# Altium PCB FMC_LOOPBACK.PcbDoc
Units mm, origin at the board's own origin, x right, y up, seen from the top; angles counter-clockwise.
Board outline 32.8 x 69 mm, 2 copper layers (Component Side, Bottom Layer), stack 1.571 mm thick; 29 components, 143 nets, 452 pads, 31 vias.
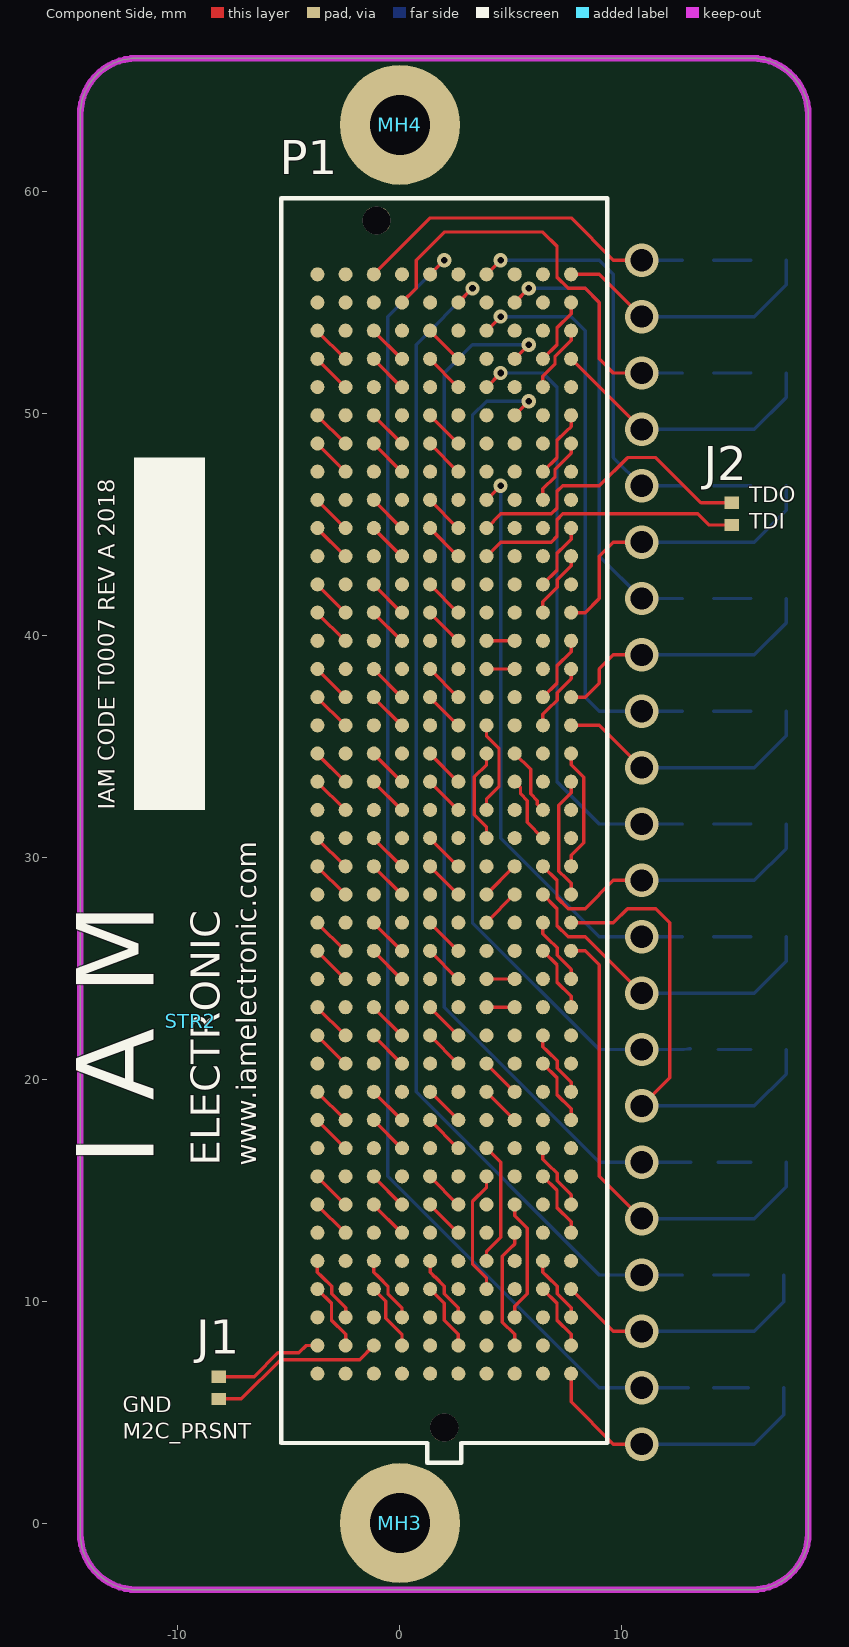
[diagram p0: Component Side view]
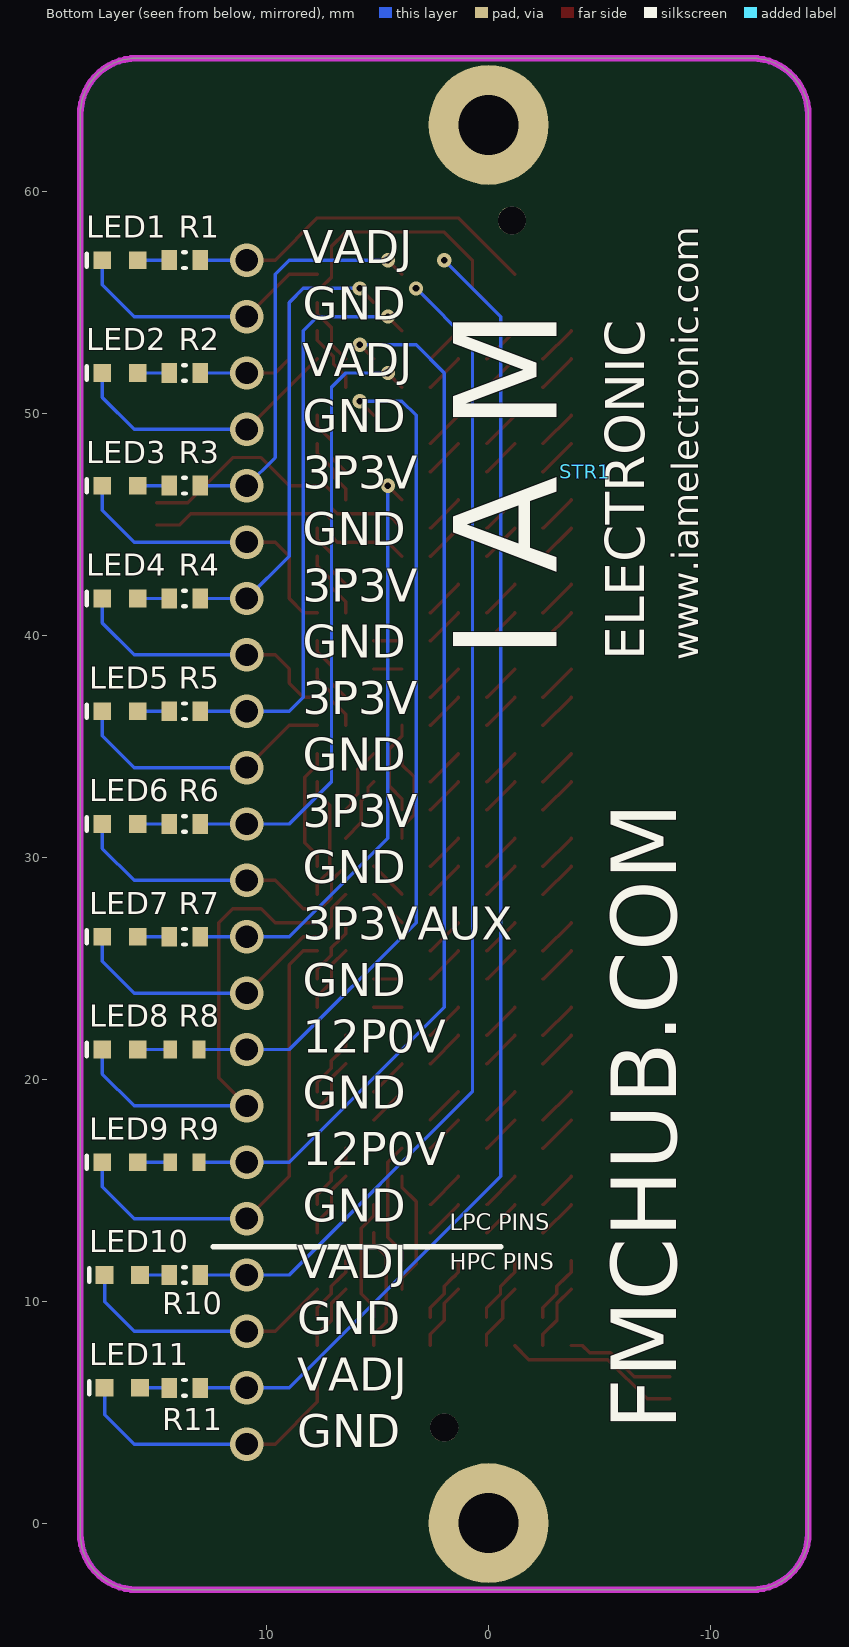
[diagram p1: Bottom Layer view, seen from below]
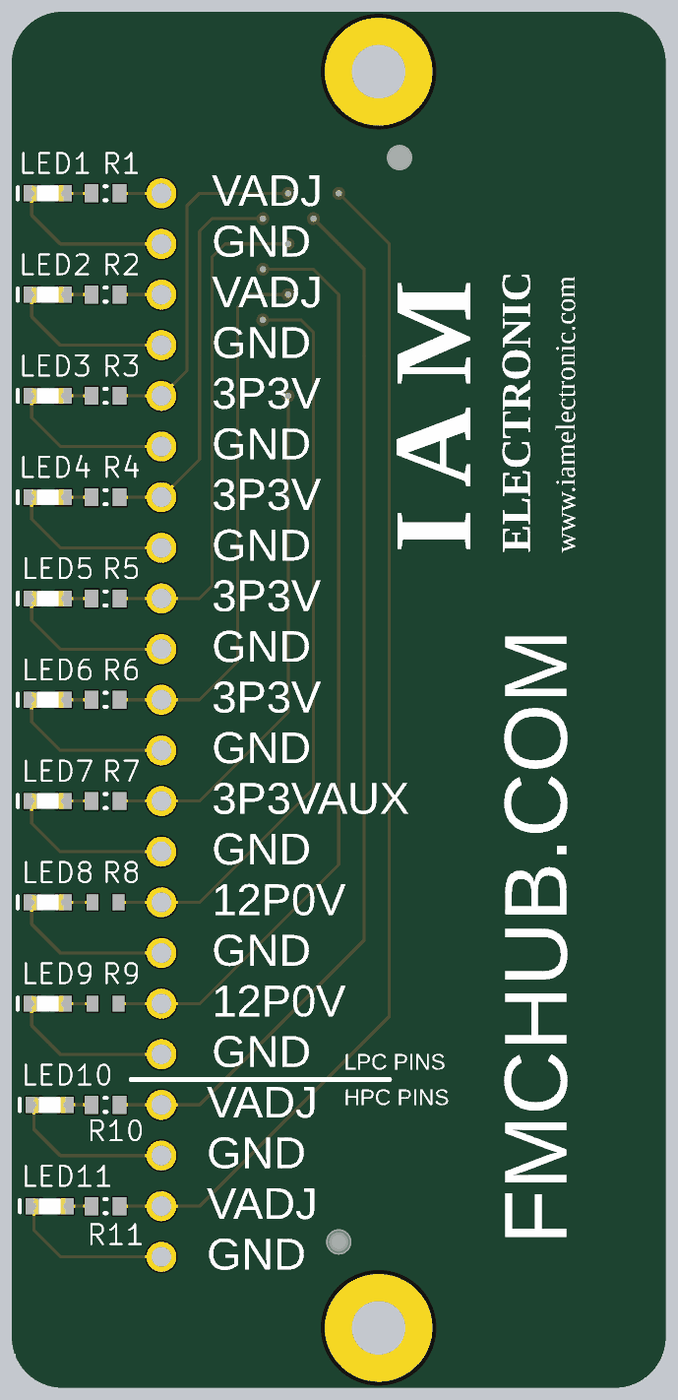
[diagram p2: 3D render of the assembled board from below, using the file's embedded part models]

## Layer stack, top to bottom
Top Solder: solder mask 0.0102, Solder Resist, Dk 3.5
Component Side: signal copper 0.0356
Dielectric 1: core 1.5, FR-4, Dk 4.2
Bottom Layer: signal copper 0.0356
Solder Side: solder mask 0.0102, Solder Resist, Dk 3.5

## Board outline
-14.4,-0.46 ccw(c-11.86,-0.46) -11.86,-3 15.86,-3 ccw(c15.86,-0.46) 18.4,-0.46 18.4,63.46 ccw(c15.86,63.46) 15.86,66 -11.86,66 ccw(c-11.86,63.46) -14.4,63.46

## Design rules (kind name [scope] priority, off if disabled: settings)
AcuteAngle [All] p1: minimum=6.00000000000000E+0001 checktracksonly=FALSE
Clearance Clearance_Keepout [All vs OnLayer('Keep-Out Layer')] p1: gap=0.15 ignorepadtopadclearanceinfootprint=FALSE
Clearance [All] p2: gap=0.152 ignorepadtopadclearanceinfootprint=FALSE
DiffPairsRouting [All] p1: maxlimit=10 minlimit=0.2 mostfreqgap=0.2 toplayer_minwidth=0.2 toplayer_maxwidth=10 toplayer_prefwidth=0.381 bottomlayer_minwidth=0.2 bottomlayer_maxwidth=10 bottomlayer_prefwidth=0.381 maxuncoupledlength=12.7
FabricationTestPointUsage FabricationTestPointUsage_1 [All] p1: valid=0 allowmultiple=FALSE
FabricationTestpoint FabricationTestpoint_1 [All] p1: side=3 testpointundercomponent=TRUE minsize=1.016 maxsize=2.54 preferedsize=1.524 minholesize=0 maxholesize=1.016 preferedholesize=0.813 testpointgrid=0.025 allowsidetop=TRUE allowsidebottom=TRUE usegrid=TRUE gridtolerance=0
HoleSize [All] p1: absolutevalues=TRUE maxlimit=6 minlimit=0.3 maxpercent=80.000 minpercent=20.000
HoleSize FabricationTestpoint [All] p2 off: absolutevalues=TRUE maxlimit=2.54 minlimit=0.025 maxpercent=80.000 minpercent=20.000
HoleSize FabricationTestPointUsage [All] p3 off: absolutevalues=TRUE maxlimit=2.54 minlimit=0.025 maxpercent=80.000 minpercent=20.000
HoleToHoleClearance [All] p1: gap=0.3 allowstackedmicrovias=TRUE
MinimumAnnularRing [All] p1: minimumring=0.15
MinimumSolderMaskSliver [All] p1: minsoldermaskwidth=0.05
PlaneClearance [All] p1: clearance=0.4
PlaneConnect [All] p1: planeconnectstyle=Direct reliefexpansion=0.4 reliefentries=4 reliefconductorwidth=0.15 reliefairgap=0.15
PolygonConnect [All] p1: connectstyle=Relief reliefconductorwidth=0.254 reliefentries=4 polygonreliefangle="90 Angle" airgapwidth=0.254
RoutingCorners [All] p1: cornerstyle=45-Degree minsetback=1.5 maxsetback=1.5
RoutingVias [All] p1: holewidth=0.3 width=0.6 viastyle="Through Hole" minholewidth=0.3 minwidth=0.45 maxholewidth=0.45 maxwidth=0.75
SilkToSilkClearance [All] p1: silktosilkclearance=0.127
SilkToSolderMaskClearance [IsPad] p1: minsilkscreentomaskgap=0.1 clearancetoexposedcopper=TRUE
SolderMaskExpansion [All] p1: expansion=0.075
Width [All] p1: maxlimit=0.152 minlimit=0.152 preferedwidth=0.152
19 further rules are at their usual default settings.

## Classes and differential pairs
component class FMC_LOOPBACK_LPC: J1 J2 LED1 LED2 LED3 LED4 LED5 LED6 LED7 LED8 LED9 LED? MH3 MH4 R1 R2 R3 R4 R5 R6 R7 R8 R9 STR1
component class FMC_LOOPBACK_HPC: LED10 LED11 P1 R10 R11 STR2

## Components (designator, comment, footprint, x,y, rotation, side; value= is the part's Value field where it differs from the comment)
J1 "Jumper 0402" RESC0402(1005)_N -8.16,6.1 r270 top value="0.00 Ohm"
J2 "Jumper 0402" RESC0402(1005)_N 14.954,45.47 r90 top value="0.00 Ohm"
LED1 "150060GS75000" 0603_A 16.605,56.9 r180 bottom
LED2 "150060GS75000" 0603_A 16.605,51.82 r180 bottom
LED3 "150060GS75000" 0603_A 16.605,46.74 r180 bottom
LED4 "150060GS75000" 0603_A 16.605,41.66 r180 bottom
LED5 "150060GS75000" 0603_A 16.605,36.58 r180 bottom
LED6 "150060GS75000" 0603_A 16.605,31.5 r180 bottom
LED7 "150060GS75000" 0603_A 16.605,26.42 r180 bottom
LED8 "150060GS75000" 0603_A 16.605,21.34 r180 bottom
LED9 "150060GS75000" 0603_A 16.605,16.26 r180 bottom
LED10 "150060GS75000" 0603_A 16.503,11.18 r180 bottom
LED11 "150060GS75000" 0603_A 16.503,6.1 r180 bottom
MH3 "2.7mm" Mounting_Hole_Plated_2.7mm-COVERED 0,0 r0 top
MH4 "2.7mm" Mounting_Hole_Plated_2.7mm-COVERED 0,63 r0 top
P1 "MC-HPC-10" ASP-134488-01 2,31.5 r270 top
R1 "100R" RESC0603(1608)_L 13.7,56.9 r180 bottom value="100.00 Ohm"
R2 "100R" RESC0603(1608)_L 13.7,51.82 r180 bottom value="100.00 Ohm"
R3 "100R" RESC0603(1608)_L 13.7,46.74 r180 bottom value="100.00 Ohm"
R4 "100R" RESC0603(1608)_L 13.7,41.66 r180 bottom value="100.00 Ohm"
R5 "100R" RESC0603(1608)_L 13.7,36.58 r180 bottom value="100.00 Ohm"
R6 "100R" RESC0603(1608)_L 13.7,31.5 r180 bottom value="100.00 Ohm"
R7 "100R" RESC0603(1608)_L 13.7,26.42 r180 bottom value="100.00 Ohm"
R8 "1.8K" RESC1608X55X25LL10T15 13.7,21.34 r180 bottom
R9 "1.8K" RESC1608X55X25LL10T15 13.7,16.26 r180 bottom
R10 "100R" RESC0603(1608)_L 13.7,11.18 r180 bottom value="100.00 Ohm"
R11 "100R" RESC0603(1608)_L 13.7,6.1 r180 bottom value="100.00 Ohm"
STR1 "IAM LOGO" "IAM LOGO - LARGE - WWW" -4.35,47.375 r90 bottom
STR2 "IAM LOGO" "IAM LOGO - MEDIUM - WWW" -9.43,22.61 r90 top

## Footprints (in the part's own frame and the unit in brackets; to place one, negate y for a bottom-side part, rotate by r counter-clockwise, add the part's x,y. Pads: shape width x height; smd on the part's side, far side on the other; paste and mask are expansions set on the pad)
0603_A [mm] "Chip LED, 2-Leads, Body 1.6x0.8mm, IPC Medium Density"
  rect 0.8x0.8 smd: 1(-0.8,0) 2(0.8,0)
  silkscreen extent -1.5,-0.3 -1.5,0.3, body extent -0.8,-0.4 0.8,0.4, height 0.7
ASP-134488-01 [mil] "MC-HPC-10, 1.27mm PITCH TERMINAL ARRAY ASSEMBLY, MALE, VITA 57 CONNECTOR"
  round 25 smd paste+5 mask+2.01: A1(975,225) A2(925,225) A3(875,225) A4(825,225) A5(775,225) A6(725,225) A7(675,225) A8(625,225) A9(575,225) A10(525,225) A11(475,225) A12(425,225) A13(375,225) A14(325,225) A15(275,225) A16(225,225) A17(175,225) A18(125,225) A19(75,225) A20(25,225) A21(-25,225) A22(-75,225) A23(-125,225) A24(-175,225) A25(-225,225) A26(-275,225) A27(-325,225) A28(-375,225) A29(-425,225) A30(-475,225) A31(-525,225) A32(-575,225) A33(-625,225) A34(-675,225) A35(-725,225) A36(-775,225) A37(-825,225) A38(-875,225) A39(-925,225) A40(-975,225) B1(975,175) B2(925,175) B3(875,175) B4(825,175) B5(775,175) B6(725,175) B7(675,175) B8(625,175) B9(575,175) B10(525,175) B11(475,175) B12(425,175) B13(375,175) B14(325,175) B15(275,175) B16(225,175) B17(175,175) B18(125,175) B19(75,175) B20(25,175) B21(-25,175) B22(-75,175) B23(-125,175) B24(-175,175) B25(-225,175) B26(-275,175) B27(-325,175) B28(-375,175) B29(-425,175) B30(-475,175) B31(-525,175) B32(-575,175) B33(-625,175) B34(-675,175) B35(-725,175) B36(-775,175) B37(-825,175) B38(-875,175) B39(-925,175) B40(-975,175) E1(975,25) E2(925,25) E3(875,25) E4(825,25) E5(775,25) E6(725,25) E7(675,25) E8(625,25) E9(575,25) E10(525,25) E11(475,25) E12(425,25) E13(375,25) E14(325,25) E15(275,25) E16(225,25) E17(175,25) E18(125,25) E19(75,25) E20(25,25) E21(-25,25) E22(-75,25) E23(-125,25) E24(-175,25) E25(-225,25) E26(-275,25) E27(-325,25) E28(-375,25) E29(-425,25) E30(-475,25) E31(-525,25) E32(-575,25) E33(-625,25) E34(-675,25) E35(-725,25) E36(-775,25) E37(-825,25) E38(-875,25) E39(-925,25) E40(-975,25) F1(975,-25) F2(925,-25) F3(875,-25) F4(825,-25) F5(775,-25) F6(725,-25) F7(675,-25) F8(625,-25) F9(575,-25) F10(525,-25) F11(475,-25) F12(425,-25) F13(375,-25) F14(325,-25) F15(275,-25) F16(225,-25) F17(175,-25) F18(125,-25) F19(75,-25) F20(25,-25) F21(-25,-25) F22(-75,-25) F23(-125,-25) F24(-175,-25) F25(-225,-25) F26(-275,-25) F27(-325,-25) F28(-375,-25) F29(-425,-25) F30(-475,-25) F31(-525,-25) F32(-575,-25) F33(-625,-25) F34(-675,-25) F35(-725,-25) F36(-775,-25) F37(-825,-25) F38(-875,-25) F39(-925,-25) F40(-975,-25) J1(975,-175) J2(925,-175) J3(875,-175) J4(825,-175) J5(775,-175) J6(725,-175) J7(675,-175) J8(625,-175) J9(575,-175) J10(525,-175) J11(475,-175) J12(425,-175) J13(375,-175) J14(325,-175) J15(275,-175) J16(225,-175) J17(175,-175) J18(125,-175) J19(75,-175) J20(25,-175) J21(-25,-175) J22(-75,-175) J23(-125,-175) J24(-175,-175) J25(-225,-175) J26(-275,-175) J27(-325,-175) J28(-375,-175) J29(-425,-175) J30(-475,-175) J31(-525,-175) J32(-575,-175) J33(-625,-175) J34(-675,-175) J35(-725,-175) J36(-775,-175) J37(-825,-175) J38(-875,-175) J39(-925,-175) J40(-975,-175) K1(975,-225) K2(925,-225) K3(875,-225) K4(825,-225) K5(775,-225) K6(725,-225) K7(675,-225) K8(625,-225) K9(575,-225) K10(525,-225) K11(475,-225) K12(425,-225) K13(375,-225) K14(325,-225) K15(275,-225) K16(225,-225) K17(175,-225) K18(125,-225) K19(75,-225) K20(25,-225) K21(-25,-225) K22(-75,-225) K23(-125,-225) K24(-175,-225) K25(-225,-225) K26(-275,-225) K27(-325,-225) K28(-375,-225) K29(-425,-225) K30(-475,-225) K31(-525,-225) K32(-575,-225) K33(-625,-225) K34(-675,-225) K35(-725,-225) K36(-775,-225) K37(-825,-225) K38(-875,-225) K39(-925,-225) K40(-975,-225)
  round 25 smd paste+5 mask+2: C1(975,125) C2(925,125) C3(875,125) C4(825,125) C5(775,125) C6(725,125) C7(675,125) C8(625,125) C9(575,125) C10(525,125) C11(475,125) C12(425,125) C13(375,125) C14(325,125) C15(275,125) C16(225,125) C17(175,125) C18(125,125) C19(75,125) C20(25,125) C21(-25,125) C22(-75,125) C23(-125,125) C24(-175,125) C25(-225,125) C26(-275,125) C27(-325,125) C28(-375,125) C29(-425,125) C30(-475,125) C31(-525,125) C32(-575,125) C33(-625,125) C34(-675,125) C35(-725,125) C36(-775,125) C37(-825,125) C38(-875,125) C39(-925,125) C40(-975,125) D1(975,75) D2(925,75) D3(875,75) D4(825,75) D5(775,75) D6(725,75) D7(675,75) D8(625,75) D9(575,75) D10(525,75) D11(475,75) D12(425,75) D13(375,75) D14(325,75) D15(275,75) D16(225,75) D17(175,75) D18(125,75) D19(75,75) D20(25,75) D21(-25,75) D22(-75,75) D23(-125,75) D24(-175,75) D25(-225,75) D26(-275,75) D27(-325,75) D28(-375,75) D29(-425,75) D30(-475,75) D31(-525,75) D32(-575,75) D33(-625,75) D34(-675,75) D35(-725,75) D36(-775,75) D37(-825,75) D38(-875,75) D39(-925,75) D40(-975,75) G1(975,-75) G2(925,-75) G3(875,-75) G4(825,-75) G5(775,-75) G6(725,-75) G7(675,-75) G8(625,-75) G9(575,-75) G10(525,-75) G11(475,-75) G12(425,-75) G13(375,-75) G14(325,-75) G15(275,-75) G16(225,-75) G17(175,-75) G18(125,-75) G19(75,-75) G20(25,-75) G21(-25,-75) G22(-75,-75) G23(-125,-75) G24(-175,-75) G25(-225,-75) G26(-275,-75) G27(-325,-75) G28(-375,-75) G29(-425,-75) G30(-475,-75) G31(-525,-75) G32(-575,-75) G33(-625,-75) G34(-675,-75) G35(-725,-75) G36(-775,-75) G37(-825,-75) G38(-875,-75) G39(-925,-75) G40(-975,-75) H1(975,-125) H2(925,-125) H3(875,-125) H4(825,-125) H5(775,-125) H6(725,-125) H7(675,-125) H8(625,-125) H9(575,-125) H10(525,-125) H11(475,-125) H12(425,-125) H13(375,-125) H14(325,-125) H15(275,-125) H16(225,-125) H17(175,-125) H18(125,-125) H19(75,-125) H20(25,-125) H21(-25,-125) H22(-75,-125) H23(-125,-125) H24(-175,-125) H25(-225,-125) H26(-275,-125) H27(-325,-125) H28(-375,-125) H29(-425,-125) H30(-475,-125) H31(-525,-125) H32(-575,-125) H33(-625,-125) H34(-675,-125) H35(-725,-125) H36(-775,-125) H37(-825,-125) H38(-875,-125) H39(-925,-125) H40(-975,-125)
  round 50 hole 50 unplated paste+0 mask+0: MH1(1070.5,0) MH2(-1070.5,-120)
  silkscreen extent -1110,-289 1133,289, body extent -1098,-289 1133,289, height 281
"IAM LOGO - LARGE - WWW" [mm] "IAM ELECTRONIC LOGO - 18.5mm x 8.5mm"
"IAM LOGO - MEDIUM - WWW" [mm] "IAM ELECTRONIC LOGO - 14.00mm x 6.75mm"
Mounting_Hole_Plated_2.7mm-COVERED [mm] "Mounting Hole, hole 2.7mm, diameter 5.4mm, Keepout R 2.9mm, plated, covered with solder mask"
  round 5.4 hole 2.7 mask+0.2: 0(0,0)
RESC0402(1005)_N [mm] "Chip Resistor, Body 1.0x0.5mm, IPC Medium Density"
  rect 0.55x0.65 smd: 1(-0.5,0) 2(0.5,0)
  body extent -0.52,-0.27 0.53,0.28, height 0.4
RESC0603(1608)_L [mm] "Chip Resistor, Body 1.6x0.8mm, IPC High Density"
  rect 0.7x0.9 smd: 1(-0.7,0) 2(0.7,0)
  silkscreen extent -0.05,-0.35 0.05,0.35, body extent -0.85,-0.47 0.85,0.47, height 0.6
RESC1608X55X25LL10T15 [mm] "Chip Resistor, 2-Leads, Body 1.60x0.80mm, IPC High Density"
  rect 0.6x0.8 smd: 1(-0.65,0) 2(0.65,0)
  body extent -0.85,-0.45 0.85,0.45, height 0.55

## Part data
J1 J2: library part CMP-1011-00001-1, "Jumper 0402 (1005 Metric)", Case-EIA=0402, Case-Metric=1005, Power=None, Technology=SMT, Tolerance=None
LED1 LED2 LED3 LED4 LED5 LED6 LED7 LED8 LED9 LED10 LED11: library part CMP-1426-00002-1, "SMD mono-color Chip LED, WL-SMCW, Green", Color=Green, Manufacturer="Wuerth Elektronik", ComponentLink1Description="Manufacturer URL", ComponentLink1URL=http://www.we-online.com, ComponentLink2Description=Datasheet, ComponentLink2URL=http://katalog.we-online.com/led/datasheet/150060GS75000.pdf, PackageReference=0603_A, Part=150060GS75000, PartNumber=150060GS75000
MH3 MH4: library part Mounting_Hole_2.7mm, "Mounting hole, hole size 2.7mm", Hole radius="2.7 mm"
P1: "MC-HPC-10, FMC High-pin count connector, lead free, 400 I/Os, male, 10 mm mated stack height", Manufacturer=Samtec, Manufacturer Ref=SEAM-40-03.5-S-10-2-A-K-TR-VITA57.0, PartName=ASP-134488-01, Supplier Part Number 1=SAM8730-ND, Gender=male, Mated Stack Height="10 mm", Number I/O=400, Part=ASP-134488-01, Pin Count=High, Pitch="1.27 mm", Solder Type=Lead-Free, Supplier 1=Digi-Key, Vita PartNumber=MC-HPC-10
R1 R2 R3 R4 R5 R6 R7 R10 R11: library part CMP-1012-00050-1, "100R 0.1W 5% 0603 (1608 Metric)  SMD", Case-EIA=0603, Case-Metric=1608, Manufacturer=Panasonic, Power="0.1 W", Tolerance="5 %", Part=ERJ-3GEYJ101V, Technology=SMT
R8 R9: library part CMP-2000-06931-1, "Chip Resistor, 1.8 KOhm, +/- 1%, 0.1 W, -55 to 155 degC, 0603 (1608 Metric), RoHS, Tape and Reel", Manufacturer=Yageo, Package Description="2-Pin Surface Mount Device, Body 1.6 x 0.8 mm", Package Reference=0603, Power Rating=100mW, Resistance=1.8kohm, Resistance Tolerance=±1%, Resistor Case Style=0603[1608Metric], Resistor Element Type=ThickFilm, Temperature Coefficient=±100ppm/°C, Voltage Rating=50V, Automotive Qualification Standard=-, Datasheet URL=http://www.yageo.com/documents/recent/PYu-RC_Group_51_RoHS_L_7.pdf, Datasheet Version="Rev. 7, 05/2017", Manufacturer URL=http://www.yageo.com/, Mounting Technology=SurfaceMount, MSL=MSL1-Unlimited, Packaging=CutTape, Part=RC0603FR-071K8L, Product Range=RCSeries, SVHC=ToBeAdvised
STR1 STR2: library part IAM_LOGO, "I A M E L E C T R O N I C - Logo", Manufacturer="IAM ELECTRONIC", Layer="Top Overlay", Part=Logo

## Via types
v1: diameter 1.5, hole 1, Component Side to Bottom Layer, 22 vias
v2: diameter 0.64, hole 0.3, Component Side to Bottom Layer, tented both sides, 9 vias

## Nets (pads, with @x,y where several pads share a name; then routed paths per layer and width w, separated by ;. In a path a pad name is that pad's centre, name@x,y a point inside that pad or via, vN(x,y) a via of type N, cw(c..) or ccw(c..) an arc to the next point about the centre after c; other vN are vias at no path point)
3P3V_1: P1.D36 R6.2 | length 27.9
  Component Side w0.152: P1.D36 v2(4.54,51.82)
  Bottom Layer w0.152: v2(4.54,51.82) 6.445,51.82 7.08,51.185 7.08,33.405 8.985,31.5 v1(10.9,31.5) R6.2@12.73,31.5
3P3V_2: P1.D38 R5.2 | length 26.1
  Component Side w0.152: P1.D38 v2(4.54,54.36)
  Bottom Layer w0.152: v2(4.54,54.36) 7.715,54.36 8.35,53.725 8.35,37.215 8.985,36.58 v1(10.9,36.58) R5.2@12.73,36.58
3P3V_3: P1.D40 R3.2 | length 18.1
  Component Side w0.152: P1.D40 v2(4.54,56.9)
  Bottom Layer w0.152: v2(4.54,56.9) 8.985,56.9 9.62,56.265 9.62,48.01 10.89,46.74 v1(10.9,46.74) R3.2@12.73,46.74
3P3V_4: P1.C39 R4.2 | length 20.3
  Component Side w0.152: P1.C39 v2(5.81,55.63)
  Bottom Layer w0.152: v2(5.81,55.63) 8.35,55.63 8.985,54.995 8.985,43.565 10.89,41.66 v1(10.9,41.66) R4.2@12.73,41.66
3P3VAUX: P1.D32 R7.2 | length 26.8
  Component Side w0.152: P1.D32 v2(4.54,46.74)
  Bottom Layer w0.152: v2(4.54,46.74) 4.54,30.865 8.985,26.42 v1(10.9,26.42) R7.2@12.73,26.42
12P0V_1: P1.C35 R8.2 | length 38.8
  Component Side w0.152: P1.C35 v2(5.81,50.55)
  Bottom Layer w0.152: v2(5.81,50.55) 3.905,50.55 3.27,49.915 3.27,27.055 8.985,21.34 v1(10.9,21.34) 12.795,21.34 13.045,21.374 R8.2@13.09,21.38
12P0V_2: P1.C37 R9.2 | length 47.8
  Component Side w0.152: P1.C37 v2(5.81,53.09)
  Bottom Layer w0.152: v2(5.81,53.09) 3.27,53.09 2,51.82 2,23.245 8.985,16.26 v1(10.9,16.26) R9.2 R9.2@13.1,16.26
GND: J1.1 P1.K2 | length 5
  Component Side w0.152: J1.1 -6.567,6.6 -5.492,7.675 -4.553,7.675 -4.223,8.005 P1.K2
GND_1: LED1.1 P1.A40 | length 12.2
  Component Side w0.152: P1.A40 8.985,56.265 v1@10.89,54.36
  Bottom Layer w0.152: v1@10.89,54.36 v1(10.9,54.36) 15.97,54.36 17.405,55.795 LED1.1
GND_2: LED2.1 P1.A37 | length 12.7
  Component Side w0.152: P1.A37 v1@10.89,49.28
  Bottom Layer w0.152: v1@10.89,49.28 v1(10.9,49.28) 15.97,49.28 17.405,50.715 LED2.1
GND_3: LED3.1 P1.A28 | length 13.8
  Component Side w0.152: P1.A28 8.35,41.025 8.985,41.66 8.985,43.565 9.62,44.2 v1@10.89,44.2
  Bottom Layer w0.152: v1@10.89,44.2 v1(10.9,44.2) 15.97,44.2 17.405,45.635 LED3.1
GND_4: LED4.1 P1.A25 | length 12.6
  Component Side w0.152: P1.A25 8.35,37.215 8.985,37.85 8.985,38.485 9.62,39.12 v1@10.89,39.12
  Bottom Layer w0.152: v1@10.89,39.12 v1(10.9,39.12) 15.97,39.12 17.405,40.555 LED4.1
GND_5: LED5.1 P1.A24 | length 12.2
  Component Side w0.152: P1.A24 8.985,35.945 v1@10.89,34.04
  Bottom Layer w0.152: v1@10.89,34.04 v1(10.9,34.04) 15.97,34.04 17.405,35.475 LED5.1
GND_6: LED6.1 P1.B19 | length 14.4
  Component Side w0.152: P1.B19 7.08,28.96 7.08,28.188 7.578,27.69 8.35,27.69 9.62,28.96 v1@10.89,28.96
  Bottom Layer w0.152: v1@10.89,28.96 v1(10.9,28.96) 15.97,28.96 17.405,30.395 LED6.1
GND_7: LED7.1 P1.B18 | length 15
  Component Side w0.152: P1.B18 7.08,27.69 7.08,26.918 7.578,26.42 8.35,26.42 v1@10.89,23.88
  Bottom Layer w0.152: v1@10.89,23.88 v1(10.9,23.88) 15.97,23.88 17.405,25.315 LED7.1
GND_8: LED8.1 P1.A17 | length 22
  Component Side w0.152: P1.A17 9.62,27.055 10.255,27.69 11.525,27.69 12.16,27.055 12.16,20.07 v1@10.89,18.8
  Bottom Layer w0.152: v1@10.89,18.8 v1(10.9,18.8) 15.97,18.8 17.405,20.235 LED8.1
GND_9: LED9.1 P1.A16 | length 22
  Component Side w0.152: P1.A16 8.35,25.785 8.985,25.15 8.985,15.625 v1@10.89,13.72
  Bottom Layer w0.152: v1@10.89,13.72 v1(10.9,13.72) 15.97,13.72 17.405,15.155 LED9.1
GND_10: LED10.1 P1.A4 | length 12.1
  Component Side w0.152: P1.A4 9.62,8.64 v1@10.89,8.64
  Bottom Layer w0.152: v1@10.89,8.64 v1(10.9,8.64) 15.97,8.64 17.303,9.973 LED10.1
GND_11: LED11.1 P1.A1 | length 13.4
  Component Side w0.152: P1.A1 7.715,5.465 9.62,3.56 v1@10.89,3.56
  Bottom Layer w0.152: v1@10.89,3.56 v1(10.9,3.56) 15.97,3.56 17.303,4.893 LED11.1
LA18_N_CC: P1.B21 P1.C23 | length 3.1
  Component Side w0.152: P1.C23 5.89,33.96 5.89,32.853 6.195,32.548 6.195,32.385 P1.B21
LA18_P_CC: P1.B20 P1.C22 | length 3.1
  Component Side w0.152: P1.C22 5.437,33.143 5.437,32.857 5.74,32.554 5.74,31.57 P1.B20
NetJ1_2: J1.2 P1.H2 | length 8
  Component Side w0.152: J1.2 -7.136,5.6 -5.366,7.37 -1.81,7.37 P1.H2
NetLED1_2: LED1.2 R1.1 | length 1.7
  Bottom Layer w0.152: R1.1@14.13,56.9 R1.1 LED1.2
NetLED2_2: LED2.2 R2.1 | length 1.7
  Bottom Layer w0.152: R2.1@14.13,51.82 R2.1 LED2.2
NetLED3_2: LED3.2 R3.1 | length 1.7
  Bottom Layer w0.152: R3.1@14.13,46.74 R3.1 LED3.2
NetLED4_2: LED4.2 R4.1 | length 1.7
  Bottom Layer w0.152: R4.1@14.13,41.66 R4.1 LED4.2
NetLED5_2: LED5.2 R5.1 | length 1.7
  Bottom Layer w0.152: R5.1@14.13,36.58 R5.1 LED5.2
NetLED6_2: LED6.2 R6.1 | length 1.7
  Bottom Layer w0.152: R6.1@14.13,31.5 R6.1 LED6.2
NetLED7_2: LED7.2 R7.1 | length 1.7
  Bottom Layer w0.152: R7.1@14.13,26.42 R7.1 LED7.2
NetLED8_2: LED8.2 R8.1 | length 1.5
  Bottom Layer w0.152: R8.1 LED8.2
NetLED9_2: LED9.2 R9.1 | length 1.5
  Bottom Layer w0.152: R9.1 LED9.2
NetLED10_2: LED10.2 R10.1 | length 1.6
  Bottom Layer w0.152: R10.1@14.13,11.18 R10.1 LED10.2
NetLED11_2: LED11.2 R11.1 | length 1.6
  Bottom Layer w0.152: R11.1@14.13,6.1 R11.1 LED11.2
NetP1_A2: P1.A2 P1.B4 | length 3.1
  Component Side w0.152: P1.B4 7.08,9.91 7.08,9.138 7.715,8.503 P1.A2
NetP1_A3: P1.A3 P1.B5 | length 3.1
  Component Side w0.152: P1.B5 6.445,11.307 6.661,11.091 6.671,11.091 7.084,10.679 7.084,10.338 7.715,9.707 P1.A3
NetP1_A6: P1.A6 P1.B8 | length 3.1
  Component Side w0.152: P1.B8 7.08,14.99 7.08,14.218 7.715,13.583 P1.A6
NetP1_A7: P1.A7 P1.B9 | length 3.1
  Component Side w0.152: P1.B9 6.445,16.387 6.661,16.171 6.671,16.171 7.084,15.759 7.084,15.418 7.715,14.787 P1.A7
NetP1_A10: P1.A10 P1.B12 | length 3.1
  Component Side w0.152: P1.B12 7.08,20.07 7.08,19.298 7.715,18.663 P1.A10
NetP1_A11: P1.A11 P1.B13 | length 3.1
  Component Side w0.152: P1.B13 6.445,21.467 6.661,21.251 6.671,21.251 7.084,20.839 7.084,20.498 7.715,19.867 P1.A11
NetP1_A14: P1.A14 P1.B16 | length 3.1
  Component Side w0.152: P1.B16 7.08,25.15 7.08,24.378 7.715,23.743 P1.A14
NetP1_A15: P1.A15 P1.B17 | length 3.1
  Component Side w0.152: P1.B17 6.445,26.547 6.661,26.331 6.671,26.331 7.084,25.919 7.084,25.578 7.715,24.947 P1.A15
NetP1_A18: P1.A18 P1.A22 | length 5.5
  Component Side w0.152: P1.A18 7.715,28.833 7.499,29.049 7.489,29.049 7.16,29.378 7.16,32.352 7.715,32.907 P1.A22
NetP1_A19: P1.A19 P1.A23 | length 5.5
  Component Side w0.152: P1.A19 7.715,30.093 8.277,30.655 8.277,33.615 7.715,34.177 P1.A23
NetP1_A26: P1.A26 P1.B24 | length 3.1
  Component Side w0.152: P1.B24 6.445,36.453 6.661,36.669 6.671,36.669 7.084,37.081 7.084,37.422 7.715,38.053 P1.A26
NetP1_A27: P1.A27 P1.B25 | length 3.1
  Component Side w0.152: P1.B25 7.08,37.85 7.08,38.622 7.715,39.257 P1.A27
NetP1_A30: P1.A30 P1.B28 | length 3.1
  Component Side w0.152: P1.B28 6.445,41.523 6.991,42.069 6.991,42.079 7.084,42.172 7.084,42.502 7.715,43.133 P1.A30
NetP1_A31: P1.A31 P1.B29 | length 3.1
  Component Side w0.152: P1.B29 7.08,42.93 7.08,43.702 7.489,44.111 7.499,44.111 7.715,44.327 P1.A31
NetP1_A34: P1.A34 P1.B32 | length 3.1
  Component Side w0.152: P1.B32 6.445,46.603 6.991,47.149 6.991,47.489 7.715,48.213 P1.A34
NetP1_A35: P1.A35 P1.B33 | length 3.1
  Component Side w0.152: P1.B33 7.08,48.01 7.08,48.782 7.489,49.191 7.499,49.191 7.715,49.407 P1.A35
NetP1_A38: P1.A38 P1.B36 | length 3.1
  Component Side w0.152: P1.B36 6.445,51.683 6.991,52.229 6.991,52.569 7.715,53.293 P1.A38
NetP1_A39: P1.A39 P1.B37 | length 3.1
  Component Side w0.152: P1.B37 7.08,53.09 7.08,53.862 7.715,54.497 P1.A39
NetP1_C2: P1.C2 P1.C6 | length 5.5
  Component Side w0.152: P1.C2 5.175,8.503 4.62,9.058 4.62,12.032 4.949,12.361 4.959,12.361 5.175,12.577 P1.C6
NetP1_C3: P1.C3 P1.C7 | length 5.6
  Component Side w0.152: P1.C3 5.175,9.783 5.391,9.999 5.401,9.999 5.737,10.335 5.737,13.295 5.175,13.857 P1.C7
NetP1_C10: P1.C10 P1.D11 | length 1.8
  Component Side w0.152: P1.D11 3.905,19.413 5.153,18.165 P1.C10
NetP1_C11: P1.C11 P1.D12 | length 1.8
  Component Side w0.152: P1.D12 3.905,20.683 5.153,19.435 P1.C11
NetP1_C14: P1.C14 P1.D14 | length 1.3
  Component Side w0.152: P1.D14 P1.C14
NetP1_C15: P1.C15 P1.D15 | length 1.3
  Component Side w0.152: P1.D15 P1.C15
NetP1_C18: P1.C18 P1.D17 | length 1.8
  Component Side w0.152: P1.D17 3.905,27.077 5.153,28.325 P1.C18
NetP1_C19: P1.C19 P1.D18 | length 1.8
  Component Side w0.152: P1.D18 3.905,28.347 5.153,29.595 P1.C19
NetP1_C26: P1.C26 P1.D26 | length 1.3
  Component Side w0.152: P1.D26 P1.C26
NetP1_C27: P1.C27 P1.D27 | length 1.3
  Component Side w0.152: P1.D27 P1.C27
NetP1_D4: P1.D4 P1.D8 | length 5.6
  Component Side w0.152: P1.D4 3.905,11.043 3.27,11.678 3.27,14.492 3.905,15.127 P1.D8
NetP1_D5: P1.D5 P1.D9 | length 5.6
  Component Side w0.152: P1.D5 3.905,12.246 4.54,12.881 4.54,16.26 P1.D9
NetP1_D20: P1.D20 P1.D23 | length 4.3
  Component Side w0.152: P1.D20 3.905,31.363 3.35,31.918 3.35,33.622 3.905,34.177 P1.D23
NetP1_D21: P1.D21 P1.D24 | length 4.3
  Component Side w0.152: P1.D21 3.905,32.633 4.467,33.195 4.467,34.885 3.905,35.447 P1.D24
NetP1_E2: P1.E2 P1.F4 | length 3.1
  Component Side w0.152: P1.F4 2,9.91 2,9.138 2.635,8.503 P1.E2
NetP1_E3: P1.E3 P1.F5 | length 3.1
  Component Side w0.152: P1.F5 1.365,11.307 1.581,11.091 1.591,11.091 2.004,10.679 2.004,10.338 2.635,9.707 P1.E3
NetP1_E6: P1.E6 P1.F7 | length 1.8
  Component Side w0.152: P1.F7 1.365,14.333 2.613,13.085 P1.E6
NetP1_E7: P1.E7 P1.F8 | length 1.8
  Component Side w0.152: P1.F8 1.365,15.603 2.613,14.355 P1.E7
NetP1_E9: P1.E9 P1.F10 | length 1.8
  Component Side w0.152: P1.F10 1.365,18.143 2.613,16.895 P1.E9
NetP1_E10: P1.E10 P1.F11 | length 1.8
  Component Side w0.152: P1.F11 P1.E10
NetP1_E12: P1.E12 P1.F13 | length 1.8
  Component Side w0.152: P1.F13 1.365,21.953 2.613,20.705 P1.E12
NetP1_E13: P1.E13 P1.F14 | length 1.8
  Component Side w0.152: P1.F14 1.365,23.223 2.613,21.975 P1.E13
NetP1_E15: P1.E15 P1.F16 | length 1.8
  Component Side w0.152: P1.F16 1.365,25.763 2.613,24.515 P1.E15
NetP1_E16: P1.E16 P1.F17 | length 1.8
  Component Side w0.152: P1.F17 1.365,27.033 2.613,25.785 P1.E16
NetP1_E18: P1.E18 P1.F19 | length 1.8
  Component Side w0.152: P1.F19 1.365,29.573 2.613,28.325 P1.E18
NetP1_E19: P1.E19 P1.F20 | length 1.8
  Component Side w0.152: P1.F20 1.365,30.843 2.613,29.595 P1.E19
NetP1_E21: P1.E21 P1.F22 | length 1.8
  Component Side w0.152: P1.F22 1.365,33.383 2.613,32.135 P1.E21
NetP1_E22: P1.E22 P1.F23 | length 1.8
  Component Side w0.152: P1.F23 1.365,34.653 2.613,33.405 P1.E22
NetP1_E24: P1.E24 P1.F25 | length 1.8
  Component Side w0.152: P1.F25 1.365,37.193 2.613,35.945 P1.E24
NetP1_E25: P1.E25 P1.F26 | length 1.8
  Component Side w0.152: P1.F26 1.365,38.463 2.613,37.215 P1.E25
NetP1_E27: P1.E27 P1.F28 | length 1.8
  Component Side w0.152: P1.F28 1.365,41.003 2.613,39.755 P1.E27
NetP1_E28: P1.E28 P1.F29 | length 1.8
  Component Side w0.152: P1.F29 1.365,42.273 2.613,41.025 P1.E28
NetP1_E30: P1.E30 P1.F31 | length 1.8
  Component Side w0.152: P1.F31 1.365,44.813 2.613,43.565 P1.E30
NetP1_E31: P1.E31 P1.F32 | length 1.8
  Component Side w0.152: P1.F32 1.365,46.083 2.613,44.835 P1.E31
NetP1_E33: P1.E33 P1.F34 | length 1.8
  Component Side w0.152: P1.F34 1.365,48.623 2.613,47.375 P1.E33
NetP1_E34: P1.E34 P1.F35 | length 1.8
  Component Side w0.152: P1.F35 1.365,49.893 2.613,48.645 P1.E34
NetP1_E36: P1.E36 P1.F37 | length 1.8
  Component Side w0.152: P1.F37 1.365,52.433 2.613,51.185 P1.E36
NetP1_E37: P1.E37 P1.F38 | length 1.8
  Component Side w0.152: P1.F38 1.365,53.703 2.613,52.455 P1.E37
NetP1_G2: P1.G2 P1.H4 | length 3.1
  Component Side w0.152: P1.H4 -0.629,9.999 -0.629,9.227 0.095,8.503 P1.G2
NetP1_G3: P1.G3 P1.H5 | length 3.1
  Component Side w0.152: P1.H5 -1.175,11.307 -0.959,11.091 -0.949,11.091 -0.536,10.679 -0.536,10.338 0.095,9.707 P1.G3
NetP1_G6: P1.G6 P1.H7 | length 1.8
  Component Side w0.152: P1.H7 -1.175,14.333 0.073,13.085 P1.G6
NetP1_G7: P1.G7 P1.H8 | length 1.8
  Component Side w0.152: P1.H8 -1.175,15.603 0.073,14.355 P1.G7
NetP1_G9: P1.G9 P1.H10 | length 1.8
  Component Side w0.152: P1.H10 -1.175,18.143 0.073,16.895 P1.G9
NetP1_G10: P1.G10 P1.H11 | length 1.8
  Component Side w0.152: P1.H11 -1.175,19.413 0.073,18.165 P1.G10
NetP1_G12: P1.G12 P1.H13 | length 1.8
  Component Side w0.152: P1.H13 -1.175,21.953 0.073,20.705 P1.G12
NetP1_G13: P1.G13 P1.H14 | length 1.8
  Component Side w0.152: P1.H14 -1.175,23.223 0.073,21.975 P1.G13
NetP1_G15: P1.G15 P1.H16 | length 1.8
  Component Side w0.152: P1.H16 -1.175,25.763 0.073,24.515 P1.G15
NetP1_G16: P1.G16 P1.H17 | length 1.8
  Component Side w0.152: P1.H17 -1.175,27.033 0.073,25.785 P1.G16
NetP1_G18: P1.G18 P1.H19 | length 1.8
  Component Side w0.152: P1.H19 -1.175,29.573 0.073,28.325 P1.G18
NetP1_G19: P1.G19 P1.H20 | length 1.8
  Component Side w0.152: P1.H20 -1.175,30.843 0.073,29.595 P1.G19
NetP1_G21: P1.G21 P1.H22 | length 1.8
  Component Side w0.152: P1.H22 -1.175,33.383 0.073,32.135 P1.G21
NetP1_G22: P1.G22 P1.H23 | length 1.8
  Component Side w0.152: P1.H23 -1.175,34.653 0.073,33.405 P1.G22
NetP1_G24: P1.G24 P1.H25 | length 1.8
  Component Side w0.152: P1.H25 -1.175,37.193 0.073,35.945 P1.G24
NetP1_G25: P1.G25 P1.H26 | length 1.8
  Component Side w0.152: P1.H26 -1.175,38.463 0.073,37.215 P1.G25
NetP1_G27: P1.G27 P1.H28 | length 1.8
  Component Side w0.152: P1.H28 -1.175,41.003 0.073,39.755 P1.G27
NetP1_G28: P1.G28 P1.H29 | length 1.8
  Component Side w0.152: P1.H29 -1.175,42.273 0.073,41.025 P1.G28
NetP1_G30: P1.G30 P1.H31 | length 1.8
  Component Side w0.152: P1.H31 -1.175,44.813 0.073,43.565 P1.G30
NetP1_G31: P1.G31 P1.H32 | length 1.8
  Component Side w0.152: P1.H32 -1.175,46.083 0.073,44.835 P1.G31
NetP1_G33: P1.G33 P1.H34 | length 1.8
  Component Side w0.152: P1.H34 -1.175,48.623 0.073,47.375 P1.G33
NetP1_G34: P1.G34 P1.H35 | length 1.8
  Component Side w0.152: P1.H35 -1.175,49.893 0.073,48.645 P1.G34
NetP1_G36: P1.G36 P1.H37 | length 1.8
  Component Side w0.152: P1.H37 -1.175,52.433 0.073,51.185 P1.G36
NetP1_G37: P1.G37 P1.H38 | length 1.8
  Component Side w0.152: P1.H38 -1.175,53.703 0.073,52.455 P1.G37
NetP1_J2: P1.J2 P1.K4 | length 3.1
  Component Side w0.152: P1.K4 -3.08,9.91 -3.08,9.138 -2.445,8.503 P1.J2
NetP1_J3: P1.J3 P1.K5 | length 3.1
  Component Side w0.152: P1.K5 -3.715,11.307 -3.499,11.091 -3.489,11.091 -3.076,10.679 -3.076,10.338 -2.445,9.707 P1.J3
NetP1_J6: P1.J6 P1.K7 | length 1.8
  Component Side w0.152: P1.K7 -3.715,14.333 -2.467,13.085 P1.J6
NetP1_J7: P1.J7 P1.K8 | length 1.8
  Component Side w0.152: P1.K8 -3.715,15.603 -2.467,14.355 P1.J7
NetP1_J9: P1.J9 P1.K10 | length 1.8
  Component Side w0.152: P1.K10 -3.715,18.143 -2.467,16.895 P1.J9
NetP1_J10: P1.J10 P1.K11 | length 1.8
  Component Side w0.152: P1.K11 -3.715,19.413 -2.467,18.165 P1.J10
NetP1_J12: P1.J12 P1.K13 | length 1.8
  Component Side w0.152: P1.K13 -3.715,21.953 -2.467,20.705 P1.J12
NetP1_J13: P1.J13 P1.K14 | length 1.8
  Component Side w0.152: P1.K14 -3.715,23.223 -2.467,21.975 P1.J13
NetP1_J15: P1.J15 P1.K16 | length 1.8
  Component Side w0.152: P1.K16 -3.715,25.763 -2.467,24.515 P1.J15
NetP1_J16: P1.J16 P1.K17 | length 1.8
  Component Side w0.152: P1.K17 -3.715,27.033 -2.467,25.785 P1.J16
NetP1_J18: P1.J18 P1.K19 | length 1.8
  Component Side w0.152: P1.K19 -3.715,29.573 -2.467,28.325 P1.J18
NetP1_J19: P1.J19 P1.K20 | length 1.8
  Component Side w0.152: P1.K20 -3.715,30.843 -2.467,29.595 P1.J19
NetP1_J21: P1.J21 P1.K22 | length 1.8
  Component Side w0.152: P1.K22 -3.715,33.383 -2.467,32.135 P1.J21
NetP1_J22: P1.J22 P1.K23 | length 1.8
  Component Side w0.152: P1.K23 -3.715,34.653 -2.467,33.405 P1.J22
NetP1_J24: P1.J24 P1.K25 | length 1.8
  Component Side w0.152: P1.K25 -3.715,37.193 -2.467,35.945 P1.J24
NetP1_J25: P1.J25 P1.K26 | length 1.8
  Component Side w0.152: P1.K26 -3.715,38.463 -2.467,37.215 P1.J25
NetP1_J27: P1.J27 P1.K28 | length 1.8
  Component Side w0.152: P1.K28 -3.715,41.003 -2.467,39.755 P1.J27
NetP1_J28: P1.J28 P1.K29 | length 1.8
  Component Side w0.152: P1.K29 -3.715,42.273 -2.467,41.025 P1.J28
NetP1_J30: P1.J30 P1.K31 | length 1.8
  Component Side w0.152: P1.K31 -3.715,44.813 -2.467,43.565 P1.J30
NetP1_J31: P1.J31 P1.K32 | length 1.8
  Component Side w0.152: P1.K32 -3.715,46.083 -2.467,44.835 P1.J31
NetP1_J33: P1.J33 P1.K34 | length 1.8
  Component Side w0.152: P1.K34 -3.715,48.623 -2.467,47.375 P1.J33
NetP1_J34: P1.J34 P1.K35 | length 1.8
  Component Side w0.152: P1.K35 -3.715,49.893 -2.467,48.645 P1.J34
NetP1_J36: P1.J36 P1.K37 | length 1.8
  Component Side w0.152: P1.K37 -3.715,52.433 -2.467,51.185 P1.J36
NetP1_J37: P1.J37 P1.K38 | length 1.8
  Component Side w0.152: P1.K38 -3.715,53.703 -2.467,52.455 P1.J37
TDI: J2.1 P1.D30 | length 12.5
  Component Side w0.152: P1.D30 4.54,44.2 6.826,44.2 7.08,44.454 7.08,45.216 7.334,45.47 13.43,45.47 13.93,44.97 J2.1
TDO: J2.2 P1.D31 | length 13.7
  Component Side w0.152: P1.D31 4.54,45.47 6.826,45.47 7.08,45.724 7.08,46.486 7.334,46.74 8.985,46.74 10.255,48.01 11.525,48.01 13.565,45.97 J2.2
VADJ_1: P1.H40 R1.2 | length 15.7
  Component Side w0.152: P1.H40 -0.54,56.9 1.365,58.805 7.715,58.805 9.62,56.9 v1@10.89,56.9
  Bottom Layer w0.152: v1@10.89,56.9 v1(10.9,56.9) R1.2@12.73,56.9
VADJ_2: P1.G39 R2.2 | length 19.6
  Component Side w0.152: P1.G39 0.73,55.63 0.73,56.9 2,58.17 6.445,58.17 7.08,57.535 7.08,56.128 7.578,55.63 8.35,55.63 8.985,54.995 8.985,52.455 9.62,51.82 v1@10.89,51.82
  Bottom Layer w0.152: v1@10.89,51.82 v1(10.9,51.82) R2.2@12.73,51.82
VADJ_3: P1.F40 R11.2 | length 60.7
  Component Side w0.152: P1.F40 v2(2,56.9)
  Bottom Layer w0.152: v2(2,56.9) -0.54,54.36 -0.54,15.625 8.985,6.1 10.89,6.1 R11.2
  other v1: 10.9,6.1
VADJ_4: P1.E39 R10.2 | length 53.6
  Component Side w0.152: P1.E39 v2(3.27,55.63)
  Bottom Layer w0.152: v2(3.27,55.63) 0.73,53.09 0.73,19.435 8.985,11.18 v1(10.9,11.18) R10.2@12.73,11.18
pads on no net: MH3.0 MH4.0 P1.A5 P1.A8 P1.A9 P1.A12 P1.A13 P1.A20 P1.A21 P1.A29 P1.A32 P1.A33 P1.A36 P1.B1 P1.B2 P1.B3 P1.B6 P1.B7 P1.B10 P1.B11 P1.B14 P1.B15 P1.B22 P1.B23 P1.B26 P1.B27 P1.B30 P1.B31 P1.B34 P1.B35 P1.B38 P1.B39 P1.B40 P1.C1 P1.C4 P1.C5 P1.C8 P1.C9 P1.C12 P1.C13 P1.C16 P1.C17 P1.C20 P1.C21 P1.C24 P1.C25 P1.C28 P1.C29 P1.C30 P1.C31 P1.C32 P1.C33 P1.C34 P1.C36 P1.C38 P1.C40 P1.D1 P1.D2 P1.D3 P1.D6 P1.D7 P1.D10 P1.D13 P1.D16 P1.D19 P1.D22 P1.D25 P1.D28 P1.D29 P1.D33 P1.D34 P1.D35 P1.D37 P1.D39 P1.E1 P1.E4 P1.E5 P1.E8 P1.E11 P1.E14 P1.E17 P1.E20 P1.E23 P1.E26 P1.E29 P1.E32 P1.E35 P1.E38 P1.E40 P1.F1 P1.F2 P1.F3 P1.F6 P1.F9 P1.F12 P1.F15 P1.F18 P1.F21 P1.F24 P1.F27 P1.F30 P1.F33 P1.F36 P1.F39 P1.G1 P1.G4 P1.G5 P1.G8 P1.G11 P1.G14 P1.G17 P1.G20 P1.G23 P1.G26 P1.G29 P1.G32 P1.G35 P1.G38 P1.G40 P1.H1 P1.H3 P1.H6 P1.H9 P1.H12 P1.H15 P1.H18 P1.H21 P1.H24 P1.H27 P1.H30 P1.H33 P1.H36 P1.H39 P1.J1 P1.J4 P1.J5 P1.J8 P1.J11 P1.J14 P1.J17 P1.J20 P1.J23 P1.J26 P1.J29 P1.J32 P1.J35 P1.J38 P1.J39 P1.J40 P1.K1 P1.K3 P1.K6 P1.K9 P1.K12 P1.K15 P1.K18 P1.K21 P1.K24 P1.K27 P1.K30 P1.K33 P1.K36 P1.K39 P1.K40 P1.MH1 P1.MH2

## Keep-outs
Keep-Out Layer:
  the board outline again, w0.3

## Silkscreen, mask and mechanical layers (free items; w line width, h text height)
Top Overlay:
  region: -11.97,32.135 -8.795,32.135 -8.795,48.01 -11.97,48.01
  text "TDO / TDI" at 15.741,44.556 h1.2
  text "IAM CODE T0007 REV A 2018" at -12.605,32.135 h1.27 r90
  text "GND / M2C_PRSNT" at -12.478,3.56 h1.2
Bottom Overlay:
  lines w0.254: -0.54,12.45 12.414,12.45
  text "VADJ" at 8.366,56.265 h2.54
  text "GND" at 8.366,53.725 h2.54
  text "VADJ" at 8.366,51.185 h2.54
  text "GND" at 8.366,48.645 h2.54
  text "3P3V" at 8.366,46.105 h2.54
  text "GND" at 8.366,43.565 h2.54
  text "3P3V" at 8.366,41.025 h2.54
  text "GND" at 8.366,38.485 h2.54
  text "3P3V" at 8.366,35.945 h2.54
  text "GND" at 8.366,33.405 h2.54
  text "3P3V" at 8.366,30.865 h2.54
  text "GND" at 8.366,28.325 h2.54
  text "3P3VAUX" at 8.366,25.785 h2.54
  text "GND" at 8.366,23.245 h2.54
  text "12P0V" at 8.366,20.705 h2.54
  text "GND" at 8.366,18.165 h2.54
  text "12P0V" at 8.366,15.625 h2.54
  text "GND" at 8.366,13.085 h2.54
  text "LPC PINS" at 1.746,12.958 h1.27
  text "HPC PINS" at 1.746,11.18 h1.27
  text "VADJ" at 8.62,10.545 h2.54
  text "GND" at 8.62,8.005 h2.54
  text "VADJ" at 8.62,5.465 h2.54
  text "FMCHUB.COM" at -9.43,4.195 h5.08 r270
  text "GND" at 8.62,2.925 h2.54
Top Solder:
  region: -8.668,7.116 -7.652,7.116 -7.652,5.084 -8.668,5.084
  region: 14.446,46.486 15.462,46.486 15.462,44.454 14.446,44.454
Mechanical 14:
  drawing of 197 lines, arcs and shapes, not listed
  text "All dimensions are in mm." at -17.6,71.575 h1.52
  text "FMC Loopback Adapter" at 26.8,67.9 h7
  text "FMCHUB.COM" at 26.8,61.3 h7
  text "FMC custom shape / ------------------- / [ ] Low-pin count / [x] High-pin count" at 26.6,48.8 h1.52
  text "Layer" at 28.088,44.603 h1.52
  text "Name" at 38.5,44.603 h1.52
  text "Material" at 62.369,44.603 h1.52
  text "Thickness" at 84.207,44.603 h1.52
  text "Constant" at 100.713,44.603 h1.52
  text "Board Layer Stack" at 115.187,44.603 h1.52
  text "1" at 28.088,41.555 h1.52
  text "Top Overlay" at 38.5,41.555 h1.52
  text "2" at 28.088,38.507 h1.52
  text "Top Solder" at 38.5,38.507 h1.52
  text "Solder Resist" at 62.369,38.507 h1.52
  text "0,010mm" at 84.207,38.507 h1.52
  text "3,5" at 100.713,38.507 h1.52
  text "3" at 28.088,35.459 h1.52
  text "Component Side" at 38.5,35.459 h1.52
  text "Copper" at 62.369,35.459 h1.52
  text "0,036mm" at 84.207,35.459 h1.52
  text "4" at 28.088,32.411 h1.52
  text "Dielectric 1" at 38.5,32.411 h1.52
  text "FR-4" at 62.369,32.411 h1.52
  text "1,500mm" at 84.207,32.411 h1.52
  text "4,2" at 100.713,32.411 h1.52
  text "5" at 28.088,29.363 h1.52
  text "Bottom Layer" at 38.5,29.363 h1.52
  text "Copper" at 62.369,29.363 h1.52
  text "0,036mm" at 84.207,29.363 h1.52
  text "6" at 28.088,26.315 h1.52
  text "Solder Side" at 38.5,26.315 h1.52
  text "Solder Resist" at 62.369,26.315 h1.52
  text "0,010mm" at 84.207,26.315 h1.52
  text "3,5" at 100.713,26.315 h1.52
  text "7" at 28.088,23.267 h1.52
  text "Bottom Overlay" at 38.5,23.267 h1.52
Drill Drawing:
  circle w0.254: c28.982,10.662 r0.857
  lines w0.254: 28.125,2.523 28.554,2.523 28.554,2.094 29.41,2.094 29.41,2.523 29.839,2.523 29.839,3.379 29.41,3.379 29.41,3.808 28.554,3.808 28.554,3.379 28.125,3.379 28.125,2.523 ; 28.125,5.95 29.839,5.95 29.839,7.663 28.125,7.663 28.125,5.95 ; 28.125,15.374 29.839,15.374 28.982,13.66 28.125,15.374 ; 28.468,2.694 28.725,2.694 28.725,2.437 29.239,2.437 29.239,2.694 29.496,2.694 29.496,3.208 29.239,3.208 29.239,3.465 28.725,3.465 28.725,3.208 28.468,3.208 28.468,2.694
  lines w0.381: 26.589,0.938 98.815,0.938 ; 26.589,16.359 98.815,16.359 ; 40.739,-2.918 40.739,20.215 ; 54.608,-2.918 54.608,20.215 ; 84.665,-2.918 84.665,20.215 ; 26.589,-2.918 98.815,-2.918 98.815,20.215 26.589,20.215 26.589,-2.918
  text "Symbol" at 28.903,17.516 h1.85
  text "Count" at 41.895,17.516 h1.85
  text "Hole Size" at 55.765,17.516 h1.85
  text "Plated" at 85.822,17.516 h1.85
  text "9" at 41.895,13.66 h1.54
  text "0,300mm (11,81mil)" at 55.765,13.66 h1.54
  text "PTH" at 85.822,13.66 h1.54
  text "22" at 41.895,9.805 h1.54
  text "1,000mm (39,37mil)" at 55.765,9.805 h1.54
  text "PTH" at 85.822,9.805 h1.54
  text "2" at 41.895,5.95 h1.54
  text "1,270mm (50,00mil)" at 55.765,5.95 h1.54
  text "NPTH" at 85.822,5.95 h1.54
  text "2" at 41.895,2.094 h1.54
  text "2,700mm (106,30mil)" at 55.765,2.094 h1.54
  text "PTH" at 85.822,2.094 h1.54
  text "35 Total" at 41.895,-1.761 h1.54

## Dimensions
-14.4,66 to 18.4,66 on Mechanical 14
-14.4,66 to -14.4,-3 on Mechanical 14
0,0 to -14.4,-3 on Mechanical 14
10.9,3.56 to 10.9,6.1 on Mechanical 14
10.9,3.56 to -14.4,-3 on Mechanical 14

## Text inside footprints (layer, text, board x,y; h text height)
STR1: Bottom Overlay "I A M" at -4.6,38.875 h8 r270; Bottom Overlay "ELECTRONIC" at -7.6,38.875 h3 r270; Bottom Overlay "www.iamelectronic.com" at -9.85,38.875 h2.03 r270
STR2: Top Overlay "I A M" at -9.93,16.11 h5.97 r90; Top Overlay "ELECTRONIC" at -7.68,16.11 h2.25 r90; Top Overlay "www.iamelectronic.com" at -6.18,16.11 h1.52 r90